# Altium PCB PCB.PcbDoc (part 3 of 11)
Units mm, origin at the board's own origin, x right, y up, seen from the top; angles counter-clockwise.
Board outline 134.62 x 134.62 mm, 2 copper layers (Top Layer, Bottom Layer); 223 components, 326 nets, 5222 pads, 379 vias.
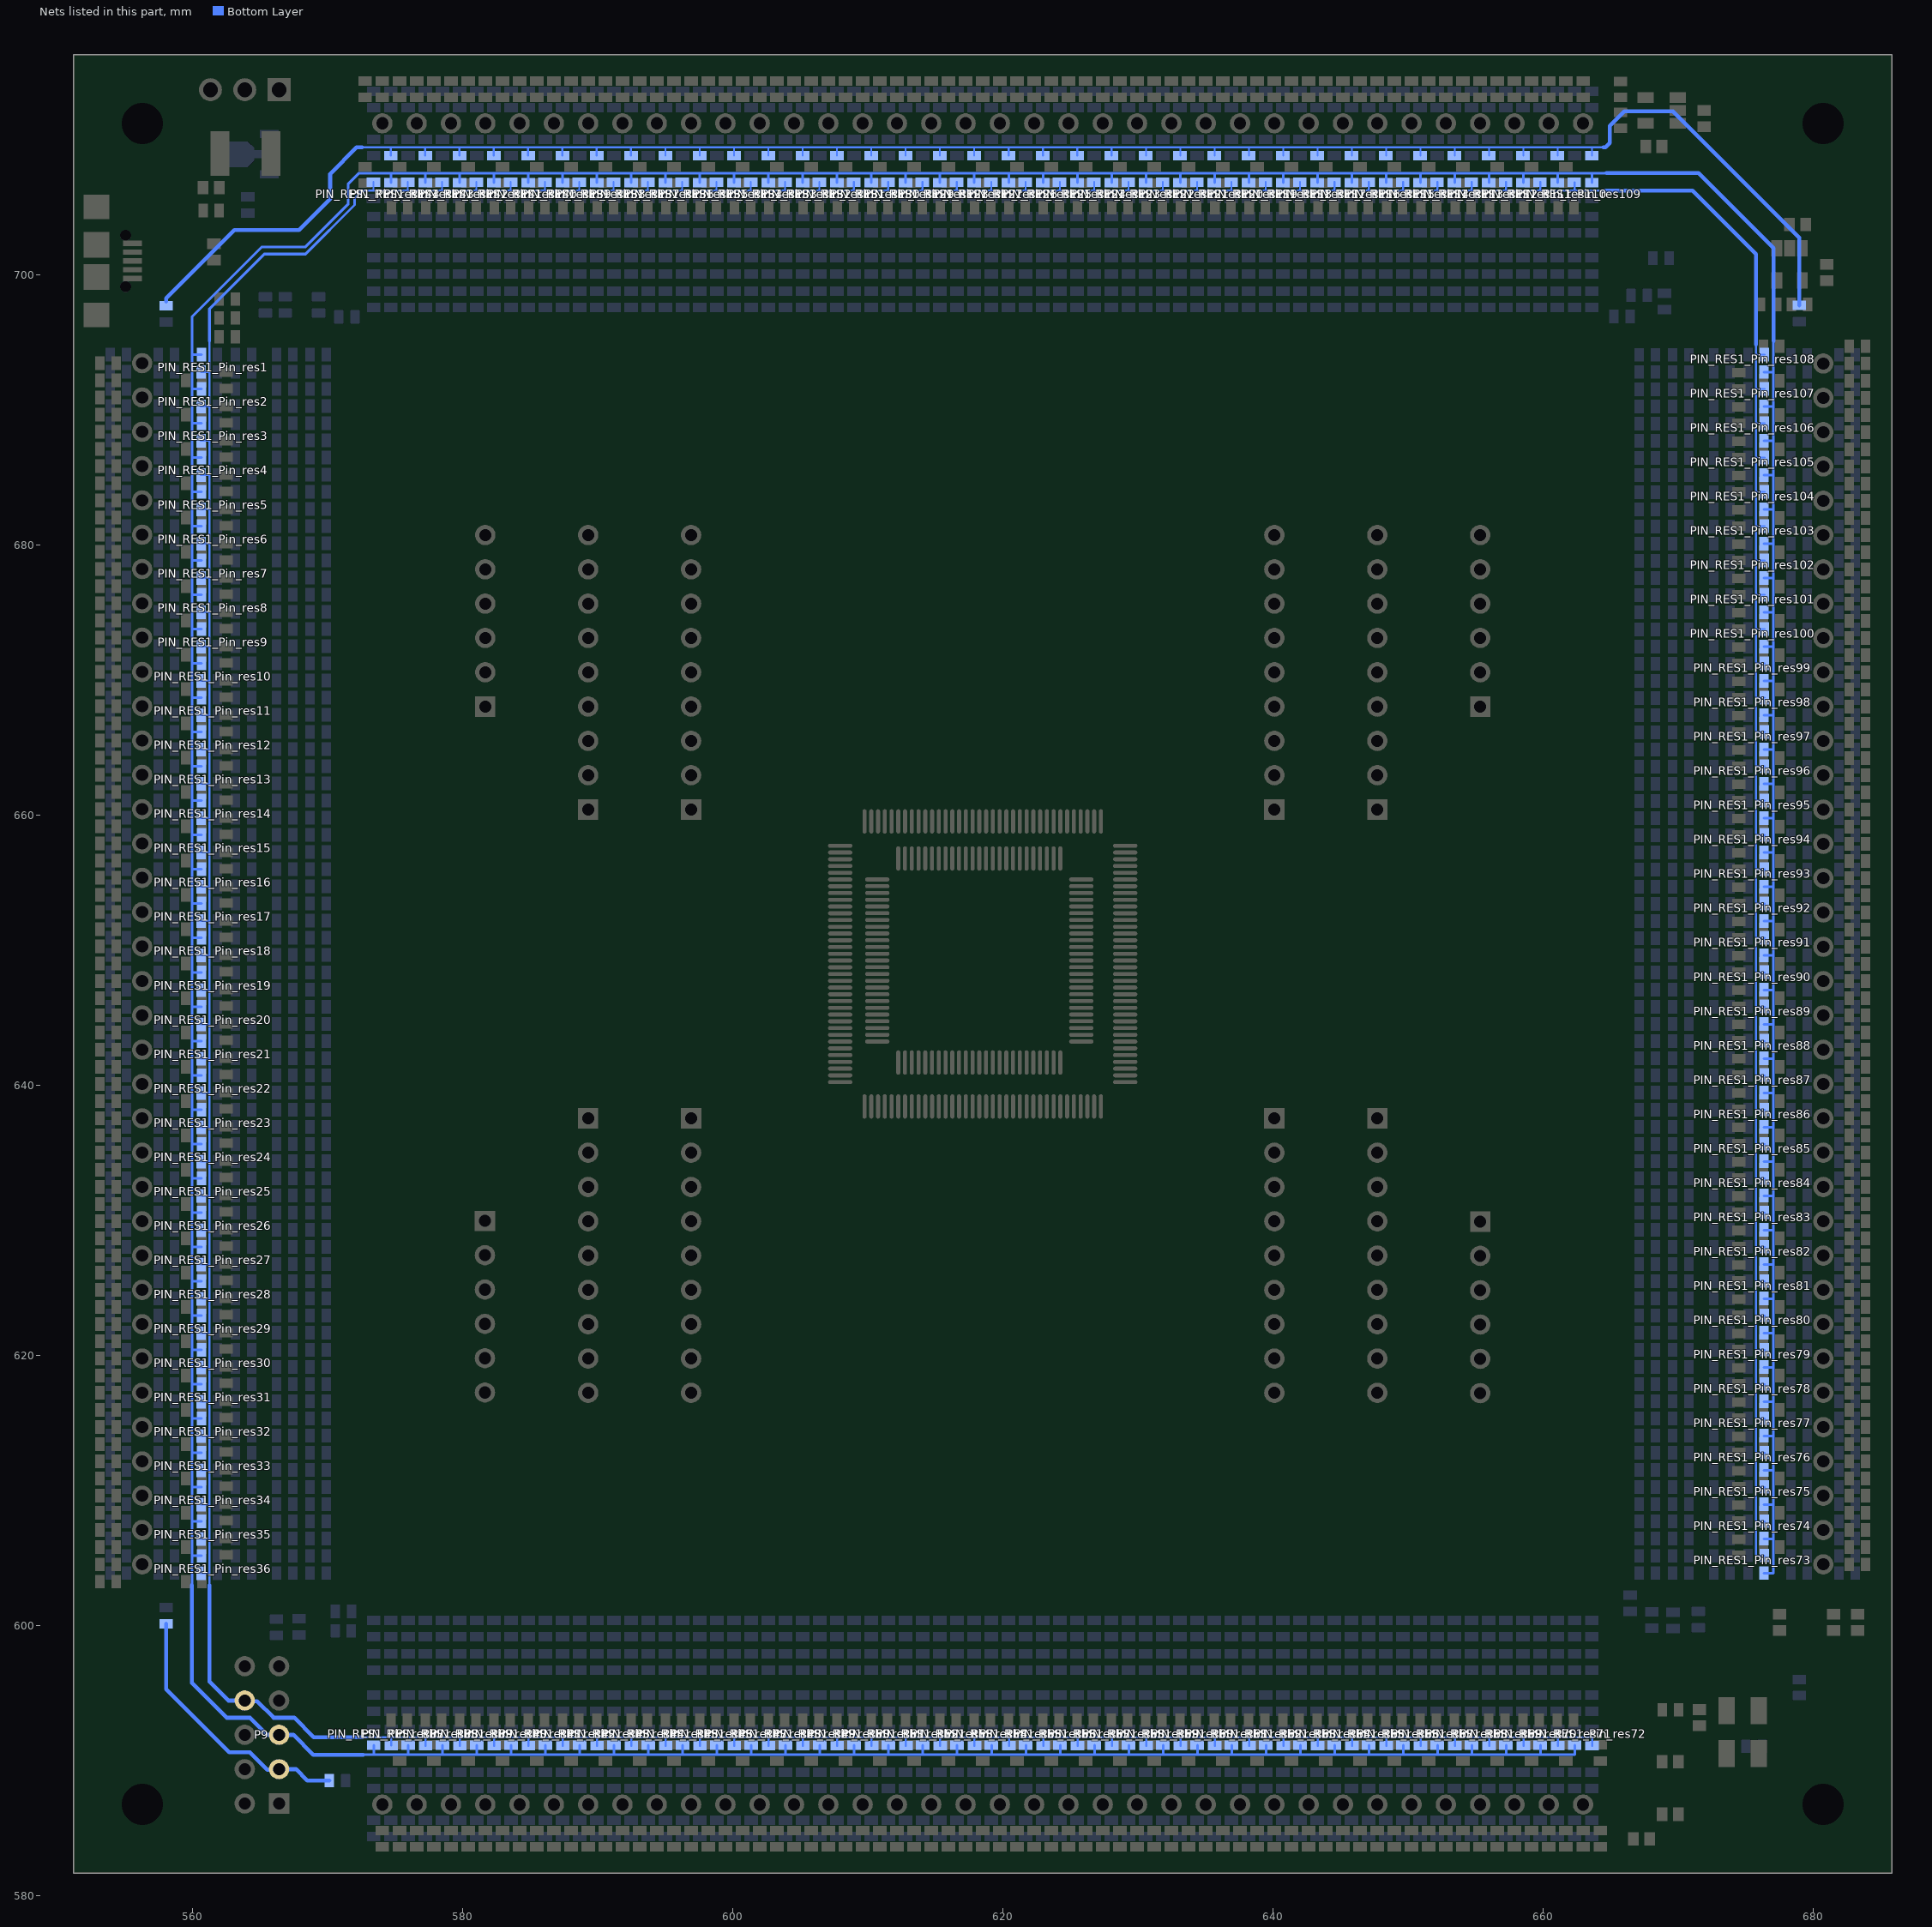
[diagram p3: the nets of this part, all layers, seen from the top]

## Via types
v1: diameter 1, hole 0.5, Top Layer to Bottom Layer, 322 vias
v2: diameter 1, hole 0.5, Top Layer to Bottom Layer, tented both sides, 57 vias

## Nets (pads, with @x,y where several pads share a name; then routed paths per layer and width w, separated by ;. In a path a pad name is that pad's centre, name@x,y a point inside that pad or via, vN(x,y) a via of type N, cw(c..) or ccw(c..) an arc to the next point about the centre after c; other vN are vias at no path point) (continued)
IO1_3: PIN_RES1_Pin_res109.5 PIN_RES1_Pin_res110.5 PIN_RES1_Pin_res111.5 PIN_RES1_Pin_res112.5 PIN_RES1_Pin_res113.5 PIN_RES1_Pin_res114.5 PIN_RES1_Pin_res115.5 PIN_RES1_Pin_res116.5 PIN_RES1_Pin_res117.5 PIN_RES1_Pin_res118.5 PIN_RES1_Pin_res119.5 PIN_RES1_Pin_res120.5 PIN_RES1_Pin_res121.5 PIN_RES1_Pin_res122.5 PIN_RES1_Pin_res123.5 PIN_RES1_Pin_res124.5 PIN_RES1_Pin_res125.5 PIN_RES1_Pin_res126.5 PIN_RES1_Pin_res127.5 PIN_RES1_Pin_res128.5 PIN_RES1_Pin_res129.5 PIN_RES1_Pin_res130.5 PIN_RES1_Pin_res131.5 PIN_RES1_Pin_res132.5 PIN_RES1_Pin_res133.5 PIN_RES1_Pin_res134.5 PIN_RES1_Pin_res135.5 PIN_RES1_Pin_res136.5 PIN_RES1_Pin_res137.5 PIN_RES1_Pin_res138.5 PIN_RES1_Pin_res139.5 PIN_RES1_Pin_res140.5 PIN_RES1_Pin_res141.5 PIN_RES1_Pin_res142.5 PIN_RES1_Pin_res143.5 PIN_RES1_Pin_res144.5 R25.2 R28.2 | length 159.2
  Bottom Layer w0.15: 572.541,709.422 574.675,709.422 ; PIN_RES1_Pin_res144.5@574.675,708.822 574.675,709.422 ; PIN_RES1_Pin_res143.5@577.215,708.822 577.215,709.422 ; PIN_RES1_Pin_res142.5@579.755,708.822 579.755,709.422 ; PIN_RES1_Pin_res141.5@582.295,708.822 582.295,709.422 ; PIN_RES1_Pin_res140.5@584.835,708.822 584.835,709.422 ; PIN_RES1_Pin_res139.5@587.375,708.822 587.375,709.422 ; PIN_RES1_Pin_res138.5@589.915,708.822 589.915,709.422 ; PIN_RES1_Pin_res137.5@592.455,708.822 592.455,709.422 ; PIN_RES1_Pin_res136.5@594.995,708.822 594.995,709.422 ; PIN_RES1_Pin_res135.5@597.535,708.822 597.535,709.422 ; PIN_RES1_Pin_res134.5@600.075,708.822 600.075,709.422 ; PIN_RES1_Pin_res133.5@602.615,708.822 602.615,709.422 ; PIN_RES1_Pin_res132.5@605.155,708.822 605.155,709.422 ; PIN_RES1_Pin_res131.5@607.695,708.822 607.695,709.422 ; PIN_RES1_Pin_res130.5@610.235,708.822 610.235,709.422 ; PIN_RES1_Pin_res129.5@612.775,708.822 612.775,709.422 ; PIN_RES1_Pin_res128.5@615.315,708.822 615.315,709.422 ; PIN_RES1_Pin_res127.5@617.855,708.822 617.855,709.422 ; PIN_RES1_Pin_res126.5@620.42,708.822 620.42,709.422 ; PIN_RES1_Pin_res125.5@622.96,708.822 622.96,709.422 ; PIN_RES1_Pin_res124.5@625.5,708.822 625.5,709.422 ; PIN_RES1_Pin_res123.5@628.04,708.822 628.04,709.422 ; PIN_RES1_Pin_res122.5@630.58,708.822 630.58,709.422 ; PIN_RES1_Pin_res121.5@633.12,708.822 633.12,709.422 ; PIN_RES1_Pin_res120.5@635.66,708.822 635.66,709.422 ; PIN_RES1_Pin_res119.5@638.2,708.822 638.2,709.422 ; PIN_RES1_Pin_res118.5@640.74,708.822 640.74,709.422 ; PIN_RES1_Pin_res117.5@643.28,708.822 643.28,709.422 ; PIN_RES1_Pin_res116.5@645.82,708.822 645.82,709.422 ; PIN_RES1_Pin_res115.5@648.36,708.822 648.36,709.422 ; PIN_RES1_Pin_res114.5@650.9,708.822 650.9,709.422 ; PIN_RES1_Pin_res113.5@653.44,708.822 653.44,709.422 ; PIN_RES1_Pin_res112.5@655.98,708.822 655.98,709.422 ; PIN_RES1_Pin_res111.5@658.52,708.822 658.52,709.422 ; PIN_RES1_Pin_res110.5@661.06,708.822 661.06,709.422 ; PIN_RES1_Pin_res109.5@663.6,708.822 663.6,709.422 ; 664.439,709.422 663.6,709.422 ; 574.675,709.422 577.215,709.422 ; 577.215,709.422 579.755,709.422 ; 579.755,709.422 582.295,709.422 ; 582.295,709.422 584.835,709.422 ; 584.835,709.422 587.375,709.422 ; 587.375,709.422 589.915,709.422 ; 589.915,709.422 592.455,709.422 ; 592.455,709.422 594.995,709.422 ; 594.995,709.422 597.535,709.422 ; 597.535,709.422 600.075,709.422 ; 600.075,709.422 602.615,709.422 ; 602.615,709.422 605.155,709.422 ; 605.155,709.422 607.695,709.422 ; 607.695,709.422 610.235,709.422 ; 610.235,709.422 612.775,709.422 ; 612.775,709.422 615.315,709.422 ; 615.315,709.422 617.855,709.422 ; 617.855,709.422 620.42,709.422 ; 620.42,709.422 622.96,709.422 ; 622.96,709.422 625.5,709.422 ; 625.5,709.422 628.04,709.422 ; 628.04,709.422 630.58,709.422 ; 630.58,709.422 633.12,709.422 ; 633.12,709.422 635.66,709.422 ; 635.66,709.422 638.2,709.422 ; 638.2,709.422 640.74,709.422 ; 640.74,709.422 643.28,709.422 ; 643.28,709.422 645.82,709.422 ; 645.82,709.422 648.36,709.422 ; 648.36,709.422 650.9,709.422 ; 650.9,709.422 653.44,709.422 ; 653.44,709.422 655.98,709.422 ; 655.98,709.422 658.52,709.422 ; 658.52,709.422 661.06,709.422 ; 661.06,709.422 663.6,709.422
  Bottom Layer w0.3: R28.2@558.038,698.008 558.038,698.246 563.093,703.301 567.868,703.301 570.179,705.612 570.179,707.466 572.135,709.422 572.541,709.422 ; 664.439,709.422 664.591,709.422 664.921,709.752 664.921,711.022 665.988,712.089 669.595,712.089 678.942,702.742 R25.2@678.942,697.728
IO1_X: P9.3 R26.2 R27.1 | length 19.8
  Bottom Layer w0.3: R26.2@558.038,600.11 558.038,595.274 562.712,590.601 564.236,590.601 565.531,589.305 566.344,589.305 P9.3@566.395,589.356 567.639,589.356 568.477,588.518 R27.1@570.113,588.518
IO2: P9.5 PIN_RES1_Pin_res1.6 PIN_RES1_Pin_res2.6 PIN_RES1_Pin_res3.6 PIN_RES1_Pin_res4.6 PIN_RES1_Pin_res5.6 PIN_RES1_Pin_res6.6 PIN_RES1_Pin_res7.6 PIN_RES1_Pin_res8.6 PIN_RES1_Pin_res9.6 PIN_RES1_Pin_res10.6 PIN_RES1_Pin_res11.6 PIN_RES1_Pin_res12.6 PIN_RES1_Pin_res13.6 PIN_RES1_Pin_res14.6 PIN_RES1_Pin_res15.6 PIN_RES1_Pin_res16.6 PIN_RES1_Pin_res17.6 PIN_RES1_Pin_res18.6 PIN_RES1_Pin_res19.6 PIN_RES1_Pin_res20.6 PIN_RES1_Pin_res21.6 PIN_RES1_Pin_res22.6 PIN_RES1_Pin_res23.6 PIN_RES1_Pin_res24.6 PIN_RES1_Pin_res25.6 PIN_RES1_Pin_res26.6 PIN_RES1_Pin_res27.6 PIN_RES1_Pin_res28.6 PIN_RES1_Pin_res29.6 PIN_RES1_Pin_res30.6 PIN_RES1_Pin_res31.6 PIN_RES1_Pin_res32.6 PIN_RES1_Pin_res33.6 PIN_RES1_Pin_res34.6 PIN_RES1_Pin_res35.6 PIN_RES1_Pin_res36.6 PIN_RES1_Pin_res37.6 PIN_RES1_Pin_res38.6 PIN_RES1_Pin_res39.6 PIN_RES1_Pin_res40.6 PIN_RES1_Pin_res41.6 PIN_RES1_Pin_res42.6 PIN_RES1_Pin_res43.6 PIN_RES1_Pin_res44.6 PIN_RES1_Pin_res45.6 PIN_RES1_Pin_res46.6 PIN_RES1_Pin_res47.6 PIN_RES1_Pin_res48.6 PIN_RES1_Pin_res49.6 PIN_RES1_Pin_res50.6 PIN_RES1_Pin_res51.6 PIN_RES1_Pin_res52.6 PIN_RES1_Pin_res53.6 PIN_RES1_Pin_res54.6 PIN_RES1_Pin_res55.6 PIN_RES1_Pin_res56.6 PIN_RES1_Pin_res57.6 PIN_RES1_Pin_res58.6 PIN_RES1_Pin_res59.6 PIN_RES1_Pin_res60.6 PIN_RES1_Pin_res61.6 PIN_RES1_Pin_res62.6 PIN_RES1_Pin_res63.6 PIN_RES1_Pin_res64.6 PIN_RES1_Pin_res65.6 PIN_RES1_Pin_res66.6 PIN_RES1_Pin_res67.6 PIN_RES1_Pin_res68.6 PIN_RES1_Pin_res69.6 PIN_RES1_Pin_res70.6 PIN_RES1_Pin_res71.6 PIN_RES1_Pin_res72.6 PIN_RES1_Pin_res73.6 PIN_RES1_Pin_res74.6 PIN_RES1_Pin_res75.6 PIN_RES1_Pin_res76.6 PIN_RES1_Pin_res77.6 PIN_RES1_Pin_res78.6 PIN_RES1_Pin_res79.6 PIN_RES1_Pin_res80.6 PIN_RES1_Pin_res81.6 PIN_RES1_Pin_res82.6 PIN_RES1_Pin_res83.6 PIN_RES1_Pin_res84.6 PIN_RES1_Pin_res85.6 PIN_RES1_Pin_res86.6 PIN_RES1_Pin_res87.6 PIN_RES1_Pin_res88.6 PIN_RES1_Pin_res89.6 PIN_RES1_Pin_res90.6 PIN_RES1_Pin_res91.6 PIN_RES1_Pin_res92.6 PIN_RES1_Pin_res93.6 PIN_RES1_Pin_res94.6 PIN_RES1_Pin_res95.6 PIN_RES1_Pin_res96.6 PIN_RES1_Pin_res97.6 PIN_RES1_Pin_res98.6 PIN_RES1_Pin_res99.6 PIN_RES1_Pin_res100.6 PIN_RES1_Pin_res101.6 PIN_RES1_Pin_res102.6 PIN_RES1_Pin_res103.6 PIN_RES1_Pin_res104.6 PIN_RES1_Pin_res105.6 PIN_RES1_Pin_res106.6 PIN_RES1_Pin_res107.6 PIN_RES1_Pin_res108.6 PIN_RES1_Pin_res109.6 PIN_RES1_Pin_res110.6 PIN_RES1_Pin_res111.6 PIN_RES1_Pin_res112.6 PIN_RES1_Pin_res113.6 PIN_RES1_Pin_res114.6 PIN_RES1_Pin_res115.6 PIN_RES1_Pin_res116.6 PIN_RES1_Pin_res117.6 PIN_RES1_Pin_res118.6 PIN_RES1_Pin_res119.6 PIN_RES1_Pin_res120.6 PIN_RES1_Pin_res121.6 PIN_RES1_Pin_res122.6 PIN_RES1_Pin_res123.6 PIN_RES1_Pin_res124.6 PIN_RES1_Pin_res125.6 PIN_RES1_Pin_res126.6 PIN_RES1_Pin_res127.6 PIN_RES1_Pin_res128.6 PIN_RES1_Pin_res129.6 PIN_RES1_Pin_res130.6 PIN_RES1_Pin_res131.6 PIN_RES1_Pin_res132.6 PIN_RES1_Pin_res133.6 PIN_RES1_Pin_res134.6 PIN_RES1_Pin_res135.6 PIN_RES1_Pin_res136.6 PIN_RES1_Pin_res137.6 PIN_RES1_Pin_res138.6 PIN_RES1_Pin_res139.6 PIN_RES1_Pin_res140.6 PIN_RES1_Pin_res141.6 PIN_RES1_Pin_res142.6 PIN_RES1_Pin_res143.6 PIN_RES1_Pin_res144.6 | length 533.7
  Bottom Layer w0.2: 559.943,597.992 559.943,602.996 559.943,605.155 ; PIN_RES1_Pin_res36.6@560.638,605.155 559.943,605.155 ; PIN_RES1_Pin_res35.6@560.638,607.695 559.943,607.695 ; PIN_RES1_Pin_res34.6@560.638,610.235 559.943,610.235 ; PIN_RES1_Pin_res33.6@560.638,612.775 559.943,612.775 ; PIN_RES1_Pin_res32.6@560.638,615.315 559.943,615.315 ; PIN_RES1_Pin_res31.6@560.638,617.855 559.943,617.855 ; PIN_RES1_Pin_res30.6@560.638,620.395 559.943,620.395 ; PIN_RES1_Pin_res29.6@560.638,622.935 559.943,622.935 ; PIN_RES1_Pin_res28.6@560.638,625.475 559.943,625.475 ; PIN_RES1_Pin_res27.6@560.638,628.015 559.943,628.015 ; PIN_RES1_Pin_res26.6@560.638,630.555 559.943,630.555 ; PIN_RES1_Pin_res25.6@560.638,633.095 559.943,633.095 ; PIN_RES1_Pin_res24.6@560.638,635.635 559.943,635.635 ; PIN_RES1_Pin_res23.6@560.638,638.175 559.943,638.175 ; PIN_RES1_Pin_res22.6@560.638,640.715 559.943,640.715 ; PIN_RES1_Pin_res21.6@560.638,643.255 559.943,643.255 ; PIN_RES1_Pin_res20.6@560.638,645.795 559.943,645.795 ; PIN_RES1_Pin_res19.6@560.638,648.335 559.943,648.335 ; PIN_RES1_Pin_res18.6@560.638,650.9 559.943,650.9 ; PIN_RES1_Pin_res17.6@560.638,653.44 559.943,653.44 ; PIN_RES1_Pin_res16.6@560.638,655.98 559.943,655.98 ; PIN_RES1_Pin_res15.6@560.638,658.52 559.943,658.52 ; PIN_RES1_Pin_res14.6@560.638,661.06 559.943,661.06 ; PIN_RES1_Pin_res13.6@560.638,663.6 559.943,663.6 ; PIN_RES1_Pin_res12.6@560.638,666.14 559.943,666.14 ; PIN_RES1_Pin_res11.6@560.638,668.68 559.943,668.68 ; PIN_RES1_Pin_res10.6@560.638,671.22 559.943,671.22 ; PIN_RES1_Pin_res9.6@560.638,673.76 559.943,673.76 ; PIN_RES1_Pin_res8.6@560.638,676.3 559.943,676.3 ; PIN_RES1_Pin_res7.6@560.638,678.84 559.943,678.84 ; PIN_RES1_Pin_res6.6@560.638,681.38 559.943,681.38 ; PIN_RES1_Pin_res5.6@560.638,683.92 559.943,683.92 ; PIN_RES1_Pin_res4.6@560.638,686.46 559.943,686.46 ; PIN_RES1_Pin_res3.6@560.638,689 559.943,689 ; PIN_RES1_Pin_res2.6@560.638,691.54 559.943,691.54 ; PIN_RES1_Pin_res1.6@560.638,694.08 559.943,694.08 ; 572.618,590.423 573.405,590.423 ; PIN_RES1_Pin_res37.6@573.405,591.118 573.405,590.423 ; PIN_RES1_Pin_res144.6@574.675,706.822 574.675,707.517 ; PIN_RES1_Pin_res38.6@575.945,591.118 575.945,590.423 ; PIN_RES1_Pin_res143.6@577.215,706.822 577.215,707.517 ; PIN_RES1_Pin_res39.6@578.485,591.118 578.485,590.423 ; PIN_RES1_Pin_res142.6@579.755,706.822 579.755,707.517 ; PIN_RES1_Pin_res40.6@581.025,591.118 581.025,590.423 ; PIN_RES1_Pin_res141.6@582.295,706.822 582.295,707.517 ; PIN_RES1_Pin_res41.6@583.565,591.118 583.565,590.423 ; PIN_RES1_Pin_res140.6@584.835,706.822 584.835,707.517 ; PIN_RES1_Pin_res42.6@586.105,591.118 586.105,590.423 ; PIN_RES1_Pin_res139.6@587.375,706.822 587.375,707.517 ; PIN_RES1_Pin_res43.6@588.645,591.118 588.645,590.423 ; PIN_RES1_Pin_res138.6@589.915,706.822 589.915,707.517 ; PIN_RES1_Pin_res44.6@591.185,591.118 591.185,590.423 ; PIN_RES1_Pin_res137.6@592.455,706.822 592.455,707.517 ; PIN_RES1_Pin_res45.6@593.725,591.118 593.725,590.423 ; PIN_RES1_Pin_res136.6@594.995,706.822 594.995,707.517 ; PIN_RES1_Pin_res46.6@596.265,591.118 596.265,590.423 ; PIN_RES1_Pin_res135.6@597.535,706.822 597.535,707.517 ; PIN_RES1_Pin_res47.6@598.805,591.118 598.805,590.423 ; PIN_RES1_Pin_res134.6@600.075,706.822 600.075,707.517 ; PIN_RES1_Pin_res48.6@601.345,591.118 601.345,590.423 ; PIN_RES1_Pin_res133.6@602.615,706.822 602.615,707.517 ; PIN_RES1_Pin_res49.6@603.885,591.118 603.885,590.423 ; PIN_RES1_Pin_res132.6@605.155,706.822 605.155,707.517 ; PIN_RES1_Pin_res50.6@606.425,591.118 606.425,590.423 ; PIN_RES1_Pin_res131.6@607.695,706.822 607.695,707.517 ; PIN_RES1_Pin_res51.6@608.965,591.118 608.965,590.423 ; PIN_RES1_Pin_res130.6@610.235,706.822 610.235,707.517 ; PIN_RES1_Pin_res52.6@611.505,591.118 611.505,590.423 ; PIN_RES1_Pin_res129.6@612.775,706.822 612.775,707.517 ; PIN_RES1_Pin_res53.6@614.045,591.118 614.045,590.423 ; PIN_RES1_Pin_res128.6@615.315,706.822 615.315,707.517 ; PIN_RES1_Pin_res54.6@616.585,591.118 616.585,590.423 ; PIN_RES1_Pin_res127.6@617.855,706.822 617.855,707.517 ; PIN_RES1_Pin_res55.6@619.15,591.118 619.15,590.423 ; PIN_RES1_Pin_res126.6@620.42,706.822 620.42,707.517 ; PIN_RES1_Pin_res56.6@621.69,591.118 621.69,590.423 ; PIN_RES1_Pin_res125.6@622.96,706.822 622.96,707.517 ; PIN_RES1_Pin_res57.6@624.23,591.118 624.23,590.423 ; PIN_RES1_Pin_res124.6@625.5,706.822 625.5,707.517 ; PIN_RES1_Pin_res58.6@626.77,591.118 626.77,590.423 ; PIN_RES1_Pin_res123.6@628.04,706.822 628.04,707.517 ; PIN_RES1_Pin_res59.6@629.31,591.118 629.31,590.423 ; PIN_RES1_Pin_res122.6@630.58,706.822 630.58,707.517 ; PIN_RES1_Pin_res60.6@631.85,591.118 631.85,590.423 ; PIN_RES1_Pin_res121.6@633.12,706.822 633.12,707.517 ; PIN_RES1_Pin_res61.6@634.39,591.118 634.39,590.423 ; PIN_RES1_Pin_res120.6@635.66,706.822 635.66,707.517 ; PIN_RES1_Pin_res62.6@636.93,591.118 636.93,590.423 ; PIN_RES1_Pin_res119.6@638.2,706.822 638.2,707.517 ; PIN_RES1_Pin_res63.6@639.47,591.118 639.47,590.423 ; PIN_RES1_Pin_res118.6@640.74,706.822 640.74,707.517 ; PIN_RES1_Pin_res64.6@642.01,591.118 642.01,590.423 ; PIN_RES1_Pin_res117.6@643.28,706.822 643.28,707.517 ; PIN_RES1_Pin_res65.6@644.55,591.118 644.55,590.423 ; PIN_RES1_Pin_res116.6@645.82,706.822 645.82,707.517 ; PIN_RES1_Pin_res66.6@647.09,591.118 647.09,590.423 ; PIN_RES1_Pin_res115.6@648.36,706.822 648.36,707.517 ; PIN_RES1_Pin_res67.6@649.63,591.118 649.63,590.423 ; PIN_RES1_Pin_res114.6@650.9,706.822 650.9,707.517 ; PIN_RES1_Pin_res68.6@652.17,591.118 652.17,590.423 ; PIN_RES1_Pin_res113.6@653.44,706.822 653.44,707.517 ; PIN_RES1_Pin_res69.6@654.71,591.118 654.71,590.423 ; PIN_RES1_Pin_res112.6@655.98,706.822 655.98,707.517 ; PIN_RES1_Pin_res70.6@657.25,591.118 657.25,590.423 ; PIN_RES1_Pin_res111.6@658.52,706.822 658.52,707.517 ; PIN_RES1_Pin_res71.6@659.79,591.118 659.79,590.423 ; PIN_RES1_Pin_res110.6@661.06,706.822 661.06,707.517 ; PIN_RES1_Pin_res72.6@662.33,591.118 662.33,590.423 659.79,590.423 ; PIN_RES1_Pin_res109.6@663.6,706.822 663.6,707.517 ; 664.667,707.517 663.6,707.517 ; PIN_RES1_Pin_res73.6@676.342,603.86 677.037,603.86 677.037,606.4 ; PIN_RES1_Pin_res74.6@676.342,606.4 677.037,606.4 ; PIN_RES1_Pin_res75.6@676.342,608.94 677.037,608.94 ; PIN_RES1_Pin_res76.6@676.342,611.48 677.037,611.48 ; PIN_RES1_Pin_res77.6@676.342,614.02 677.037,614.02 ; PIN_RES1_Pin_res78.6@676.342,616.56 677.037,616.56 ; PIN_RES1_Pin_res79.6@676.342,619.1 677.037,619.1 ; PIN_RES1_Pin_res80.6@676.342,621.64 677.037,621.64 ; PIN_RES1_Pin_res81.6@676.342,624.18 677.037,624.18 ; PIN_RES1_Pin_res82.6@676.342,626.72 677.037,626.72 ; PIN_RES1_Pin_res83.6@676.342,629.26 677.037,629.26 ; PIN_RES1_Pin_res84.6@676.342,631.8 677.037,631.8 ; PIN_RES1_Pin_res85.6@676.342,634.34 677.037,634.34 ; PIN_RES1_Pin_res86.6@676.342,636.88 677.037,636.88 ; PIN_RES1_Pin_res87.6@676.342,639.42 677.037,639.42 ; PIN_RES1_Pin_res88.6@676.342,641.96 677.037,641.96 ; PIN_RES1_Pin_res89.6@676.342,644.5 677.037,644.5 ; PIN_RES1_Pin_res90.6@676.342,647.04 677.037,647.04 ; PIN_RES1_Pin_res91.6@676.342,649.605 677.037,649.605 ; PIN_RES1_Pin_res92.6@676.342,652.145 677.037,652.145 ; PIN_RES1_Pin_res93.6@676.342,654.685 677.037,654.685 ; PIN_RES1_Pin_res94.6@676.342,657.225 677.037,657.225 ; PIN_RES1_Pin_res95.6@676.342,659.765 677.037,659.765 ; PIN_RES1_Pin_res96.6@676.342,662.305 677.037,662.305 ; PIN_RES1_Pin_res97.6@676.342,664.845 677.037,664.845 ; PIN_RES1_Pin_res98.6@676.342,667.385 677.037,667.385 ; PIN_RES1_Pin_res99.6@676.342,669.925 677.037,669.925 ; PIN_RES1_Pin_res100.6@676.342,672.465 677.037,672.465 ; PIN_RES1_Pin_res101.6@676.342,675.005 677.037,675.005 ; PIN_RES1_Pin_res102.6@676.342,677.545 677.037,677.545 ; PIN_RES1_Pin_res103.6@676.342,680.085 677.037,680.085 ; PIN_RES1_Pin_res104.6@676.342,682.625 677.037,682.625 ; PIN_RES1_Pin_res105.6@676.342,685.165 677.037,685.165 ; PIN_RES1_Pin_res106.6@676.342,687.705 677.037,687.705 ; PIN_RES1_Pin_res107.6@676.342,690.245 677.037,690.245 ; PIN_RES1_Pin_res108.6@676.342,692.785 677.037,692.785 ; 677.037,695.077 677.037,692.785 ; 559.943,605.155 559.943,607.695 ; 559.943,607.695 559.943,610.235 ; 559.943,610.235 559.943,612.775 ; 559.943,612.775 559.943,615.315 ; 559.943,615.315 559.943,617.855 ; 559.943,617.855 559.943,620.395 ; 559.943,620.395 559.943,622.935 ; 559.943,622.935 559.943,625.475 ; 559.943,625.475 559.943,628.015 ; 559.943,628.015 559.943,630.555 ; 559.943,630.555 559.943,633.095 ; 559.943,633.095 559.943,635.635 ; 559.943,635.635 559.943,638.175 ; 559.943,638.175 559.943,640.715 ; 559.943,640.715 559.943,643.255 ; 559.943,643.255 559.943,645.795 ; 559.943,645.795 559.943,648.335 ; 559.943,648.335 559.943,650.9 ; 559.943,650.9 559.943,653.44 ; 559.943,653.44 559.943,655.98 ; 559.943,655.98 559.943,658.52 ; 559.943,658.52 559.943,661.06 ; 559.943,661.06 559.943,663.6 ; 559.943,663.6 559.943,666.14 ; 559.943,666.14 559.943,668.68 ; 559.943,668.68 559.943,671.22 ; 559.943,671.22 559.943,673.76 ; 559.943,673.76 559.943,676.3 ; 559.943,676.3 559.943,678.84 ; 559.943,678.84 559.943,681.38 ; 559.943,681.38 559.943,683.92 ; 559.943,683.92 559.943,686.46 ; 559.943,686.46 559.943,689 ; 559.943,689 559.943,691.54 ; 559.943,691.54 559.943,694.08 ; 559.943,694.08 559.943,696.874 565.125,702.056 568.35,702.056 571.5,705.206 571.5,706.704 572.313,707.517 574.675,707.517 ; 573.405,590.423 575.945,590.423 ; 574.675,707.517 577.215,707.517 ; 575.945,590.423 578.485,590.423 ; 577.215,707.517 579.755,707.517 ; 578.485,590.423 581.025,590.423 ; 579.755,707.517 582.295,707.517 ; 581.025,590.423 583.565,590.423 ; 582.295,707.517 584.835,707.517 ; 583.565,590.423 586.105,590.423 ; 584.835,707.517 587.375,707.517 ; 586.105,590.423 588.645,590.423 ; 587.375,707.517 589.915,707.517 ; 588.645,590.423 591.185,590.423 ; 589.915,707.517 592.455,707.517 ; 591.185,590.423 593.725,590.423 ; 592.455,707.517 594.995,707.517 ; 593.725,590.423 596.265,590.423 ; 594.995,707.517 597.535,707.517 ; 596.265,590.423 598.805,590.423 ; 597.535,707.517 600.075,707.517 ; 598.805,590.423 601.345,590.423 ; 600.075,707.517 602.615,707.517 ; 601.345,590.423 603.885,590.423 ; 602.615,707.517 605.155,707.517 ; 603.885,590.423 606.425,590.423 ; 605.155,707.517 607.695,707.517 ; 606.425,590.423 608.965,590.423 ; 607.695,707.517 610.235,707.517 ; 608.965,590.423 611.505,590.423 ; 610.235,707.517 612.775,707.517 ; 611.505,590.423 614.045,590.423 ; 612.775,707.517 615.315,707.517 ; 614.045,590.423 616.585,590.423 ; 615.315,707.517 617.855,707.517 ; 616.585,590.423 619.15,590.423 ; 617.855,707.517 620.42,707.517 ; 619.15,590.423 621.69,590.423 ; 620.42,707.517 622.96,707.517 ; 621.69,590.423 624.23,590.423 ; 622.96,707.517 625.5,707.517 ; 624.23,590.423 626.77,590.423 ; 625.5,707.517 628.04,707.517 ; 626.77,590.423 629.31,590.423 ; 628.04,707.517 630.58,707.517 ; 629.31,590.423 631.85,590.423 ; 630.58,707.517 633.12,707.517 ; 631.85,590.423 634.39,590.423 ; 633.12,707.517 635.66,707.517 ; 634.39,590.423 636.93,590.423 ; 635.66,707.517 638.2,707.517 ; 636.93,590.423 639.47,590.423 ; 638.2,707.517 640.74,707.517 ; 639.47,590.423 642.01,590.423 ; 640.74,707.517 643.28,707.517 ; 642.01,590.423 644.55,590.423 ; 643.28,707.517 645.82,707.517 ; 644.55,590.423 647.09,590.423 ; 645.82,707.517 648.36,707.517 ; 647.09,590.423 649.63,590.423 ; 648.36,707.517 650.9,707.517 ; 649.63,590.423 652.17,590.423 ; 650.9,707.517 653.44,707.517 ; 652.17,590.423 654.71,590.423 ; 653.44,707.517 655.98,707.517 ; 654.71,590.423 657.25,590.423 ; 655.98,707.517 658.52,707.517 ; 657.25,590.423 659.79,590.423 ; 658.52,707.517 661.06,707.517 ; 661.06,707.517 663.6,707.517 ; 677.037,606.4 677.037,608.94 ; 677.037,608.94 677.037,611.48 ; 677.037,611.48 677.037,614.02 ; 677.037,614.02 677.037,616.56 ; 677.037,616.56 677.037,619.1 ; 677.037,619.1 677.037,621.64 ; 677.037,621.64 677.037,624.18 ; 677.037,624.18 677.037,626.72 ; 677.037,626.72 677.037,629.26 ; 677.037,629.26 677.037,631.8 ; 677.037,631.8 677.037,634.34 ; 677.037,634.34 677.037,636.88 ; 677.037,636.88 677.037,639.42 ; 677.037,639.42 677.037,641.96 ; 677.037,641.96 677.037,644.5 ; 677.037,644.5 677.037,647.04 ; 677.037,647.04 677.037,649.605 ; 677.037,649.605 677.037,652.145 ; 677.037,652.145 677.037,654.685 ; 677.037,654.685 677.037,657.225 ; 677.037,657.225 677.037,659.765 ; 677.037,659.765 677.037,662.305 ; 677.037,662.305 677.037,664.845 ; 677.037,664.845 677.037,667.385 ; 677.037,667.385 677.037,669.925 ; 677.037,669.925 677.037,672.465 ; 677.037,672.465 677.037,675.005 ; 677.037,675.005 677.037,677.545 ; 677.037,677.545 677.037,680.085 ; 677.037,680.085 677.037,682.625 ; 677.037,682.625 677.037,685.165 ; 677.037,685.165 677.037,687.705 ; 677.037,687.705 677.037,690.245 ; 677.037,690.245 677.037,692.785
  Bottom Layer w0.3: 559.943,602.996 559.935,602.988 559.935,595.74 562.508,593.166 564.236,593.166 565.506,591.896 P9.5@566.395,591.896 567.461,591.896 568.935,590.423 572.618,590.423 ; 664.667,707.517 671.474,707.517 677.037,701.954 677.037,695.077
IO3: P9.8 PIN_RES1_Pin_res1.7 PIN_RES1_Pin_res2.7 PIN_RES1_Pin_res3.7 PIN_RES1_Pin_res4.7 PIN_RES1_Pin_res5.7 PIN_RES1_Pin_res6.7 PIN_RES1_Pin_res7.7 PIN_RES1_Pin_res8.7 PIN_RES1_Pin_res9.7 PIN_RES1_Pin_res10.7 PIN_RES1_Pin_res11.7 PIN_RES1_Pin_res12.7 PIN_RES1_Pin_res13.7 PIN_RES1_Pin_res14.7 PIN_RES1_Pin_res15.7 PIN_RES1_Pin_res16.7 PIN_RES1_Pin_res17.7 PIN_RES1_Pin_res18.7 PIN_RES1_Pin_res19.7 PIN_RES1_Pin_res20.7 PIN_RES1_Pin_res21.7 PIN_RES1_Pin_res22.7 PIN_RES1_Pin_res23.7 PIN_RES1_Pin_res24.7 PIN_RES1_Pin_res25.7 PIN_RES1_Pin_res26.7 PIN_RES1_Pin_res27.7 PIN_RES1_Pin_res28.7 PIN_RES1_Pin_res29.7 PIN_RES1_Pin_res30.7 PIN_RES1_Pin_res31.7 PIN_RES1_Pin_res32.7 PIN_RES1_Pin_res33.7 PIN_RES1_Pin_res34.7 PIN_RES1_Pin_res35.7 PIN_RES1_Pin_res36.7 PIN_RES1_Pin_res37.7 PIN_RES1_Pin_res38.7 PIN_RES1_Pin_res39.7 PIN_RES1_Pin_res40.7 PIN_RES1_Pin_res41.7 PIN_RES1_Pin_res42.7 PIN_RES1_Pin_res43.7 PIN_RES1_Pin_res44.7 PIN_RES1_Pin_res45.7 PIN_RES1_Pin_res46.7 PIN_RES1_Pin_res47.7 PIN_RES1_Pin_res48.7 PIN_RES1_Pin_res49.7 PIN_RES1_Pin_res50.7 PIN_RES1_Pin_res51.7 PIN_RES1_Pin_res52.7 PIN_RES1_Pin_res53.7 PIN_RES1_Pin_res54.7 PIN_RES1_Pin_res55.7 PIN_RES1_Pin_res56.7 PIN_RES1_Pin_res57.7 PIN_RES1_Pin_res58.7 PIN_RES1_Pin_res59.7 PIN_RES1_Pin_res60.7 PIN_RES1_Pin_res61.7 PIN_RES1_Pin_res62.7 PIN_RES1_Pin_res63.7 PIN_RES1_Pin_res64.7 PIN_RES1_Pin_res65.7 PIN_RES1_Pin_res66.7 PIN_RES1_Pin_res67.7 PIN_RES1_Pin_res68.7 PIN_RES1_Pin_res69.7 PIN_RES1_Pin_res70.7 PIN_RES1_Pin_res71.7 PIN_RES1_Pin_res72.7 PIN_RES1_Pin_res73.7 PIN_RES1_Pin_res74.7 PIN_RES1_Pin_res75.7 PIN_RES1_Pin_res76.7 PIN_RES1_Pin_res77.7 PIN_RES1_Pin_res78.7 PIN_RES1_Pin_res79.7 PIN_RES1_Pin_res80.7 PIN_RES1_Pin_res81.7 PIN_RES1_Pin_res82.7 PIN_RES1_Pin_res83.7 PIN_RES1_Pin_res84.7 PIN_RES1_Pin_res85.7 PIN_RES1_Pin_res86.7 PIN_RES1_Pin_res87.7 PIN_RES1_Pin_res88.7 PIN_RES1_Pin_res89.7 PIN_RES1_Pin_res90.7 PIN_RES1_Pin_res91.7 PIN_RES1_Pin_res92.7 PIN_RES1_Pin_res93.7 PIN_RES1_Pin_res94.7 PIN_RES1_Pin_res95.7 PIN_RES1_Pin_res96.7 PIN_RES1_Pin_res97.7 PIN_RES1_Pin_res98.7 PIN_RES1_Pin_res99.7 PIN_RES1_Pin_res100.7 PIN_RES1_Pin_res101.7 PIN_RES1_Pin_res102.7 PIN_RES1_Pin_res103.7 PIN_RES1_Pin_res104.7 PIN_RES1_Pin_res105.7 PIN_RES1_Pin_res106.7 PIN_RES1_Pin_res107.7 PIN_RES1_Pin_res108.7 PIN_RES1_Pin_res109.7 PIN_RES1_Pin_res110.7 PIN_RES1_Pin_res111.7 PIN_RES1_Pin_res112.7 PIN_RES1_Pin_res113.7 PIN_RES1_Pin_res114.7 PIN_RES1_Pin_res115.7 PIN_RES1_Pin_res116.7 PIN_RES1_Pin_res117.7 PIN_RES1_Pin_res118.7 PIN_RES1_Pin_res119.7 PIN_RES1_Pin_res120.7 PIN_RES1_Pin_res121.7 PIN_RES1_Pin_res122.7 PIN_RES1_Pin_res123.7 PIN_RES1_Pin_res124.7 PIN_RES1_Pin_res125.7 PIN_RES1_Pin_res126.7 PIN_RES1_Pin_res127.7 PIN_RES1_Pin_res128.7 PIN_RES1_Pin_res129.7 PIN_RES1_Pin_res130.7 PIN_RES1_Pin_res131.7 PIN_RES1_Pin_res132.7 PIN_RES1_Pin_res133.7 PIN_RES1_Pin_res134.7 PIN_RES1_Pin_res135.7 PIN_RES1_Pin_res136.7 PIN_RES1_Pin_res137.7 PIN_RES1_Pin_res138.7 PIN_RES1_Pin_res139.7 PIN_RES1_Pin_res140.7 PIN_RES1_Pin_res141.7 PIN_RES1_Pin_res142.7 PIN_RES1_Pin_res143.7 PIN_RES1_Pin_res144.7 | length 512.4
  Bottom Layer w0.15: PIN_RES1_Pin_res36.7@560.613,603.86 561.238,603.86 ; PIN_RES1_Pin_res35.7@560.613,606.4 561.238,606.4 ; PIN_RES1_Pin_res34.7@560.613,608.94 561.238,608.94 ; PIN_RES1_Pin_res33.7@560.613,611.48 561.238,611.48 ; PIN_RES1_Pin_res32.7@560.613,614.02 561.238,614.02 ; PIN_RES1_Pin_res31.7@560.613,616.56 561.238,616.56 ; PIN_RES1_Pin_res30.7@560.613,619.1 561.238,619.1 ; PIN_RES1_Pin_res29.7@560.613,621.64 561.238,621.64 ; PIN_RES1_Pin_res28.7@560.613,624.18 561.238,624.18 ; PIN_RES1_Pin_res27.7@560.613,626.72 561.238,626.72 ; PIN_RES1_Pin_res26.7@560.613,629.26 561.238,629.26 ; PIN_RES1_Pin_res25.7@560.613,631.8 561.238,631.8 ; PIN_RES1_Pin_res24.7@560.613,634.34 561.238,634.34 ; PIN_RES1_Pin_res23.7@560.613,636.88 561.238,636.88 ; PIN_RES1_Pin_res22.7@560.613,639.42 561.238,639.42 ; PIN_RES1_Pin_res21.7@560.613,641.96 561.238,641.96 ; PIN_RES1_Pin_res20.7@560.613,644.5 561.238,644.5 ; PIN_RES1_Pin_res19.7@560.613,647.04 561.238,647.04 ; PIN_RES1_Pin_res18.7@560.613,649.605 561.238,649.605 ; PIN_RES1_Pin_res17.7@560.613,652.145 561.238,652.145 ; PIN_RES1_Pin_res16.7@560.613,654.685 561.238,654.685 ; PIN_RES1_Pin_res15.7@560.613,657.225 561.238,657.225 ; PIN_RES1_Pin_res14.7@560.613,659.765 561.238,659.765 ; PIN_RES1_Pin_res13.7@560.613,662.305 561.238,662.305 ; PIN_RES1_Pin_res12.7@560.613,664.845 561.238,664.845 ; PIN_RES1_Pin_res11.7@560.613,667.385 561.238,667.385 ; PIN_RES1_Pin_res10.7@560.613,669.925 561.238,669.925 ; PIN_RES1_Pin_res9.7@560.613,672.465 561.238,672.465 ; PIN_RES1_Pin_res8.7@560.613,675.005 561.238,675.005 ; PIN_RES1_Pin_res7.7@560.613,677.545 561.238,677.545 ; PIN_RES1_Pin_res6.7@560.613,680.085 561.238,680.085 ; PIN_RES1_Pin_res5.7@560.613,682.625 561.238,682.625 ; PIN_RES1_Pin_res4.7@560.613,685.165 561.238,685.165 ; PIN_RES1_Pin_res3.7@560.613,687.705 561.238,687.705 ; PIN_RES1_Pin_res2.7@560.613,690.245 561.238,690.245 ; PIN_RES1_Pin_res1.7@560.638,692.785 561.213,692.785 ; 561.238,602.971 561.238,603.86 ; 561.238,695.046 561.238,690.245 ; 572.592,591.718 577.24,591.718 ; 572.694,706.222 573.38,706.222 ; PIN_RES1_Pin_res144.7@573.38,706.847 573.38,706.222 ; PIN_RES1_Pin_res37.7@574.7,591.118 574.7,591.693 ; PIN_RES1_Pin_res143.7@575.92,706.847 575.92,706.222 ; PIN_RES1_Pin_res38.7@577.24,591.093 577.24,591.718 ; PIN_RES1_Pin_res142.7@578.46,706.847 578.46,706.222 ; PIN_RES1_Pin_res39.7@579.78,591.093 579.78,591.718 ; PIN_RES1_Pin_res141.7@581,706.847 581,706.222 ; PIN_RES1_Pin_res40.7@582.32,591.093 582.32,591.718 ; PIN_RES1_Pin_res140.7@583.54,706.847 583.54,706.222 ; PIN_RES1_Pin_res41.7@584.86,591.093 584.86,591.718 ; PIN_RES1_Pin_res139.7@586.08,706.847 586.08,706.222 ; PIN_RES1_Pin_res42.7@587.4,591.093 587.4,591.718 ; PIN_RES1_Pin_res138.7@588.62,706.847 588.62,706.222 ; PIN_RES1_Pin_res43.7@589.94,591.093 589.94,591.718 ; PIN_RES1_Pin_res137.7@591.16,706.847 591.16,706.222 ; PIN_RES1_Pin_res44.7@592.48,591.093 592.48,591.718 ; PIN_RES1_Pin_res136.7@593.7,706.847 593.7,706.222 ; PIN_RES1_Pin_res45.7@595.02,591.093 595.02,591.718 ; PIN_RES1_Pin_res135.7@596.24,706.847 596.24,706.222 ; PIN_RES1_Pin_res46.7@597.56,591.093 597.56,591.718 ; PIN_RES1_Pin_res134.7@598.78,706.847 598.78,706.222 ; PIN_RES1_Pin_res47.7@600.1,591.093 600.1,591.718 ; PIN_RES1_Pin_res133.7@601.32,706.847 601.32,706.222 ; PIN_RES1_Pin_res48.7@602.64,591.093 602.64,591.718 ; PIN_RES1_Pin_res132.7@603.86,706.847 603.86,706.222 ; PIN_RES1_Pin_res49.7@605.18,591.093 605.18,591.718 ; PIN_RES1_Pin_res131.7@606.4,706.847 606.4,706.222 ; PIN_RES1_Pin_res50.7@607.72,591.093 607.72,591.718 ; PIN_RES1_Pin_res130.7@608.94,706.847 608.94,706.222 ; PIN_RES1_Pin_res51.7@610.26,591.093 610.26,591.718 ; PIN_RES1_Pin_res129.7@611.48,706.847 611.48,706.222 ; PIN_RES1_Pin_res52.7@612.8,591.093 612.8,591.718 ; PIN_RES1_Pin_res128.7@614.02,706.847 614.02,706.222 ; PIN_RES1_Pin_res53.7@615.34,591.093 615.34,591.718 ; PIN_RES1_Pin_res127.7@616.56,706.847 616.56,706.222 ; PIN_RES1_Pin_res54.7@617.88,591.093 617.88,591.718 ; PIN_RES1_Pin_res126.7@619.125,706.847 619.125,706.222 ; PIN_RES1_Pin_res55.7@620.446,591.093 620.446,591.718 ; PIN_RES1_Pin_res125.7@621.665,706.847 621.665,706.222 ; PIN_RES1_Pin_res56.7@622.986,591.093 622.986,591.718 ; PIN_RES1_Pin_res124.7@624.205,706.847 624.205,706.222 ; PIN_RES1_Pin_res57.7@625.526,591.093 625.526,591.718 ; PIN_RES1_Pin_res123.7@626.745,706.847 626.745,706.222 ; PIN_RES1_Pin_res58.7@628.066,591.093 628.066,591.718 ; PIN_RES1_Pin_res122.7@629.285,706.847 629.285,706.222 ; PIN_RES1_Pin_res59.7@630.606,591.093 630.606,591.718 ; PIN_RES1_Pin_res121.7@631.825,706.847 631.825,706.222 ; PIN_RES1_Pin_res60.7@633.146,591.093 633.146,591.718 ; PIN_RES1_Pin_res120.7@634.365,706.847 634.365,706.222 ; PIN_RES1_Pin_res61.7@635.686,591.093 635.686,591.718 ; PIN_RES1_Pin_res119.7@636.905,706.847 636.905,706.222 ; PIN_RES1_Pin_res62.7@638.226,591.093 638.226,591.718 ; PIN_RES1_Pin_res118.7@639.445,706.847 639.445,706.222 ; PIN_RES1_Pin_res63.7@640.766,591.093 640.766,591.718 ; PIN_RES1_Pin_res117.7@641.985,706.847 641.985,706.222 ; PIN_RES1_Pin_res64.7@643.306,591.093 643.306,591.718 ; PIN_RES1_Pin_res116.7@644.525,706.847 644.525,706.222 ; PIN_RES1_Pin_res65.7@645.846,591.093 645.846,591.718 ; PIN_RES1_Pin_res115.7@647.065,706.847 647.065,706.222 ; PIN_RES1_Pin_res66.7@648.386,591.093 648.386,591.718 ; PIN_RES1_Pin_res114.7@649.605,706.847 649.605,706.222 ; PIN_RES1_Pin_res67.7@650.926,591.093 650.926,591.718 ; PIN_RES1_Pin_res113.7@652.145,706.847 652.145,706.222 ; PIN_RES1_Pin_res68.7@653.466,591.093 653.466,591.718 ; PIN_RES1_Pin_res112.7@654.685,706.847 654.685,706.222 ; PIN_RES1_Pin_res69.7@656.006,591.093 656.006,591.718 ; PIN_RES1_Pin_res111.7@657.225,706.847 657.225,706.222 ; PIN_RES1_Pin_res70.7@658.546,591.093 658.546,591.718 ; PIN_RES1_Pin_res110.7@659.765,706.847 659.765,706.222 ; PIN_RES1_Pin_res71.7@661.086,591.093 661.086,591.718 ; 662.305,706.222 PIN_RES1_Pin_res109.7@662.305,706.822 ; PIN_RES1_Pin_res72.7@663.626,591.093 663.626,591.718 661.086,591.718 ; 664.667,706.222 659.765,706.222 ; 675.742,694.665 675.742,694.588 ; 675.742,694.817 675.742,694.588 ; PIN_RES1_Pin_res73.7@676.342,605.155 675.767,605.155 675.742,605.18 675.742,607.695 ; PIN_RES1_Pin_res74.7@676.367,607.695 675.742,607.695 ; PIN_RES1_Pin_res75.7@676.367,610.235 675.742,610.235 ; PIN_RES1_Pin_res76.7@676.367,612.775 675.742,612.775 ; PIN_RES1_Pin_res77.7@676.367,615.315 675.742,615.315 ; PIN_RES1_Pin_res78.7@676.367,617.855 675.742,617.855 ; PIN_RES1_Pin_res79.7@676.367,620.395 675.742,620.395 ; PIN_RES1_Pin_res80.7@676.367,622.935 675.742,622.935 ; PIN_RES1_Pin_res81.7@676.367,625.475 675.742,625.475 ; PIN_RES1_Pin_res82.7@676.367,628.015 675.742,628.015 ; PIN_RES1_Pin_res83.7@676.367,630.555 675.742,630.555 ; PIN_RES1_Pin_res84.7@676.367,633.095 675.742,633.095 ; PIN_RES1_Pin_res85.7@676.367,635.635 675.742,635.635 ; PIN_RES1_Pin_res86.7@676.367,638.175 675.742,638.175 ; PIN_RES1_Pin_res87.7@676.367,640.715 675.742,640.715 ; PIN_RES1_Pin_res88.7@676.367,643.255 675.742,643.255 ; PIN_RES1_Pin_res89.7@676.367,645.795 675.742,645.795 ; PIN_RES1_Pin_res90.7@676.367,648.335 675.742,648.335 ; PIN_RES1_Pin_res91.7@676.367,650.9 675.742,650.9 ; PIN_RES1_Pin_res92.7@676.367,653.44 675.742,653.44 ; PIN_RES1_Pin_res93.7@676.367,655.98 675.742,655.98 ; PIN_RES1_Pin_res94.7@676.367,658.52 675.742,658.52 ; PIN_RES1_Pin_res95.7@676.367,661.06 675.742,661.06 ; PIN_RES1_Pin_res96.7@676.367,663.6 675.742,663.6 ; PIN_RES1_Pin_res97.7@676.367,666.14 675.742,666.14 ; PIN_RES1_Pin_res98.7@676.367,668.68 675.742,668.68 ; PIN_RES1_Pin_res99.7@676.367,671.22 675.742,671.22 ; PIN_RES1_Pin_res100.7@676.367,673.76 675.742,673.76 ; PIN_RES1_Pin_res101.7@676.367,676.3 675.742,676.3 ; PIN_RES1_Pin_res102.7@676.367,678.84 675.742,678.84 ; PIN_RES1_Pin_res103.7@676.367,681.38 675.742,681.38 ; PIN_RES1_Pin_res104.7@676.367,683.92 675.742,683.92 ; PIN_RES1_Pin_res105.7@676.367,686.46 675.742,686.46 ; PIN_RES1_Pin_res106.7@676.367,689 675.742,689 ; PIN_RES1_Pin_res107.7@676.367,691.54 675.742,691.54 ; PIN_RES1_Pin_res108.7@676.367,694.08 675.742,694.08 ; 561.238,603.86 561.238,606.4 ; 561.238,606.4 561.238,608.94 ; 561.238,608.94 561.238,611.48 ; 561.238,611.48 561.238,614.02 ; 561.238,614.02 561.238,616.56 ; 561.238,616.56 561.238,619.1 ; 561.238,619.1 561.238,621.64 ; 561.238,621.64 561.238,624.18 ; 561.238,624.18 561.238,626.72 ; 561.238,626.72 561.238,629.26 ; 561.238,629.26 561.238,631.8 ; 561.238,631.8 561.238,634.34 ; 561.238,634.34 561.238,636.88 ; 561.238,636.88 561.238,639.42 ; 561.238,639.42 561.238,641.96 ; 561.238,641.96 561.238,644.5 ; 561.238,644.5 561.238,647.04 ; 561.238,647.04 561.238,649.605 ; 561.238,649.605 561.238,652.145 ; 561.238,652.145 561.238,654.685 ; 561.238,654.685 561.238,657.225 ; 561.238,657.225 561.238,659.765 ; 561.238,659.765 561.238,662.305 ; 561.238,662.305 561.238,664.845 ; 561.238,664.845 561.238,667.385 ; 561.238,667.385 561.238,669.925 ; 561.238,669.925 561.238,672.465 ; 561.238,672.465 561.238,675.005 ; 561.238,675.005 561.238,677.545 ; 561.238,677.545 561.238,680.085 ; 561.238,680.085 561.238,682.625 ; 561.238,682.625 561.238,685.165 ; 561.238,685.165 561.238,687.705 ; 561.238,687.705 561.238,690.245 ; 573.38,706.222 575.92,706.222 ; 575.92,706.222 578.46,706.222 ; 577.24,591.718 579.78,591.718 ; 578.46,706.222 581,706.222 ; 579.78,591.718 582.32,591.718 ; 581,706.222 583.54,706.222 ; 582.32,591.718 584.86,591.718 ; 583.54,706.222 586.08,706.222 ; 584.86,591.718 587.4,591.718 ; 586.08,706.222 588.62,706.222 ; 587.4,591.718 589.94,591.718 ; 588.62,706.222 591.16,706.222 ; 589.94,591.718 592.48,591.718 ; 591.16,706.222 593.7,706.222 ; 592.48,591.718 595.02,591.718 ; 593.7,706.222 596.24,706.222 ; 595.02,591.718 597.56,591.718 ; 596.24,706.222 598.78,706.222 ; 597.56,591.718 600.1,591.718 ; 598.78,706.222 601.32,706.222 ; 600.1,591.718 602.64,591.718 ; 601.32,706.222 603.86,706.222 ; 602.64,591.718 605.18,591.718 ; 603.86,706.222 606.4,706.222 ; 605.18,591.718 607.72,591.718 ; 606.4,706.222 608.94,706.222 ; 607.72,591.718 610.26,591.718 ; 608.94,706.222 611.48,706.222 ; 610.26,591.718 612.8,591.718 ; 611.48,706.222 614.02,706.222 ; 612.8,591.718 615.34,591.718 ; 614.02,706.222 616.56,706.222 ; 615.34,591.718 617.88,591.718 ; 616.56,706.222 619.125,706.222 ; 617.88,591.718 620.446,591.718 ; 619.125,706.222 621.665,706.222 ; 620.446,591.718 622.986,591.718 ; 621.665,706.222 624.205,706.222 ; 622.986,591.718 625.526,591.718 ; 624.205,706.222 626.745,706.222 ; 625.526,591.718 628.066,591.718 ; 626.745,706.222 629.285,706.222 ; 628.066,591.718 630.606,591.718 ; 629.285,706.222 631.825,706.222 ; 630.606,591.718 633.146,591.718 ; 631.825,706.222 634.365,706.222 ; 633.146,591.718 635.686,591.718 ; 634.365,706.222 636.905,706.222 ; 635.686,591.718 638.226,591.718 ; 636.905,706.222 639.445,706.222 ; 638.226,591.718 640.766,591.718 ; 639.445,706.222 641.985,706.222 ; 640.766,591.718 643.306,591.718 ; 641.985,706.222 644.525,706.222 ; 643.306,591.718 645.846,591.718 ; 644.525,706.222 647.065,706.222 ; 645.846,591.718 648.386,591.718 ; 647.065,706.222 649.605,706.222 ; 648.386,591.718 650.926,591.718 ; 649.605,706.222 652.145,706.222 ; 650.926,591.718 653.466,591.718 ; 652.145,706.222 654.685,706.222 ; 653.466,591.718 656.006,591.718 ; 654.685,706.222 657.225,706.222 ; 656.006,591.718 658.546,591.718 ; 657.225,706.222 659.765,706.222 ; 658.546,591.718 661.086,591.718 ; 675.742,607.695 675.742,610.235 ; 675.742,610.235 675.742,612.775 ; 675.742,612.775 675.742,615.315 ; 675.742,615.315 675.742,617.855 ; 675.742,617.855 675.742,620.395 ; 675.742,620.395 675.742,622.935 ; 675.742,622.935 675.742,625.475 ; 675.742,625.475 675.742,628.015 ; 675.742,628.015 675.742,630.555 ; 675.742,630.555 675.742,633.095 ; 675.742,633.095 675.742,635.635 ; 675.742,635.635 675.742,638.175 ; 675.742,638.175 675.742,640.715 ; 675.742,640.715 675.742,643.255 ; 675.742,643.255 675.742,645.795 ; 675.742,645.795 675.742,648.335 ; 675.742,648.335 675.742,650.9 ; 675.742,650.9 675.742,653.44 ; 675.742,653.44 675.742,655.98 ; 675.742,655.98 675.742,658.52 ; 675.742,658.52 675.742,661.06 ; 675.742,661.06 675.742,663.6 ; 675.742,663.6 675.742,666.14 ; 675.742,666.14 675.742,668.68 ; 675.742,668.68 675.742,671.22 ; 675.742,671.22 675.742,673.76 ; 675.742,673.76 675.742,676.3 ; 675.742,676.3 675.742,678.84 ; 675.742,678.84 675.742,681.38 ; 675.742,681.38 675.742,683.92 ; 675.742,683.92 675.742,686.46 ; 675.742,686.46 675.742,689 ; 675.742,689 675.742,691.54 ; 675.742,691.54 675.742,694.08 ; 675.742,694.08 675.742,694.588
  Bottom Layer w0.2: 561.238,695.071 561.238,697.459 565.302,701.523 568.351,701.523 571.983,705.154 571.983,705.663 572.541,706.222 572.694,706.222
  Bottom Layer w0.3: 561.238,602.971 561.238,595.834 562.635,594.436 P9.8@563.855,594.436 563.905,594.385 564.769,594.385 565.988,593.166 567.512,593.166 568.96,591.718 572.567,591.718 ; 664.54,706.222 671.043,706.222 675.742,701.523 675.742,694.817